# Altium PCB Cabinet_Device.PcbDoc (part 5 of 6) (continued)
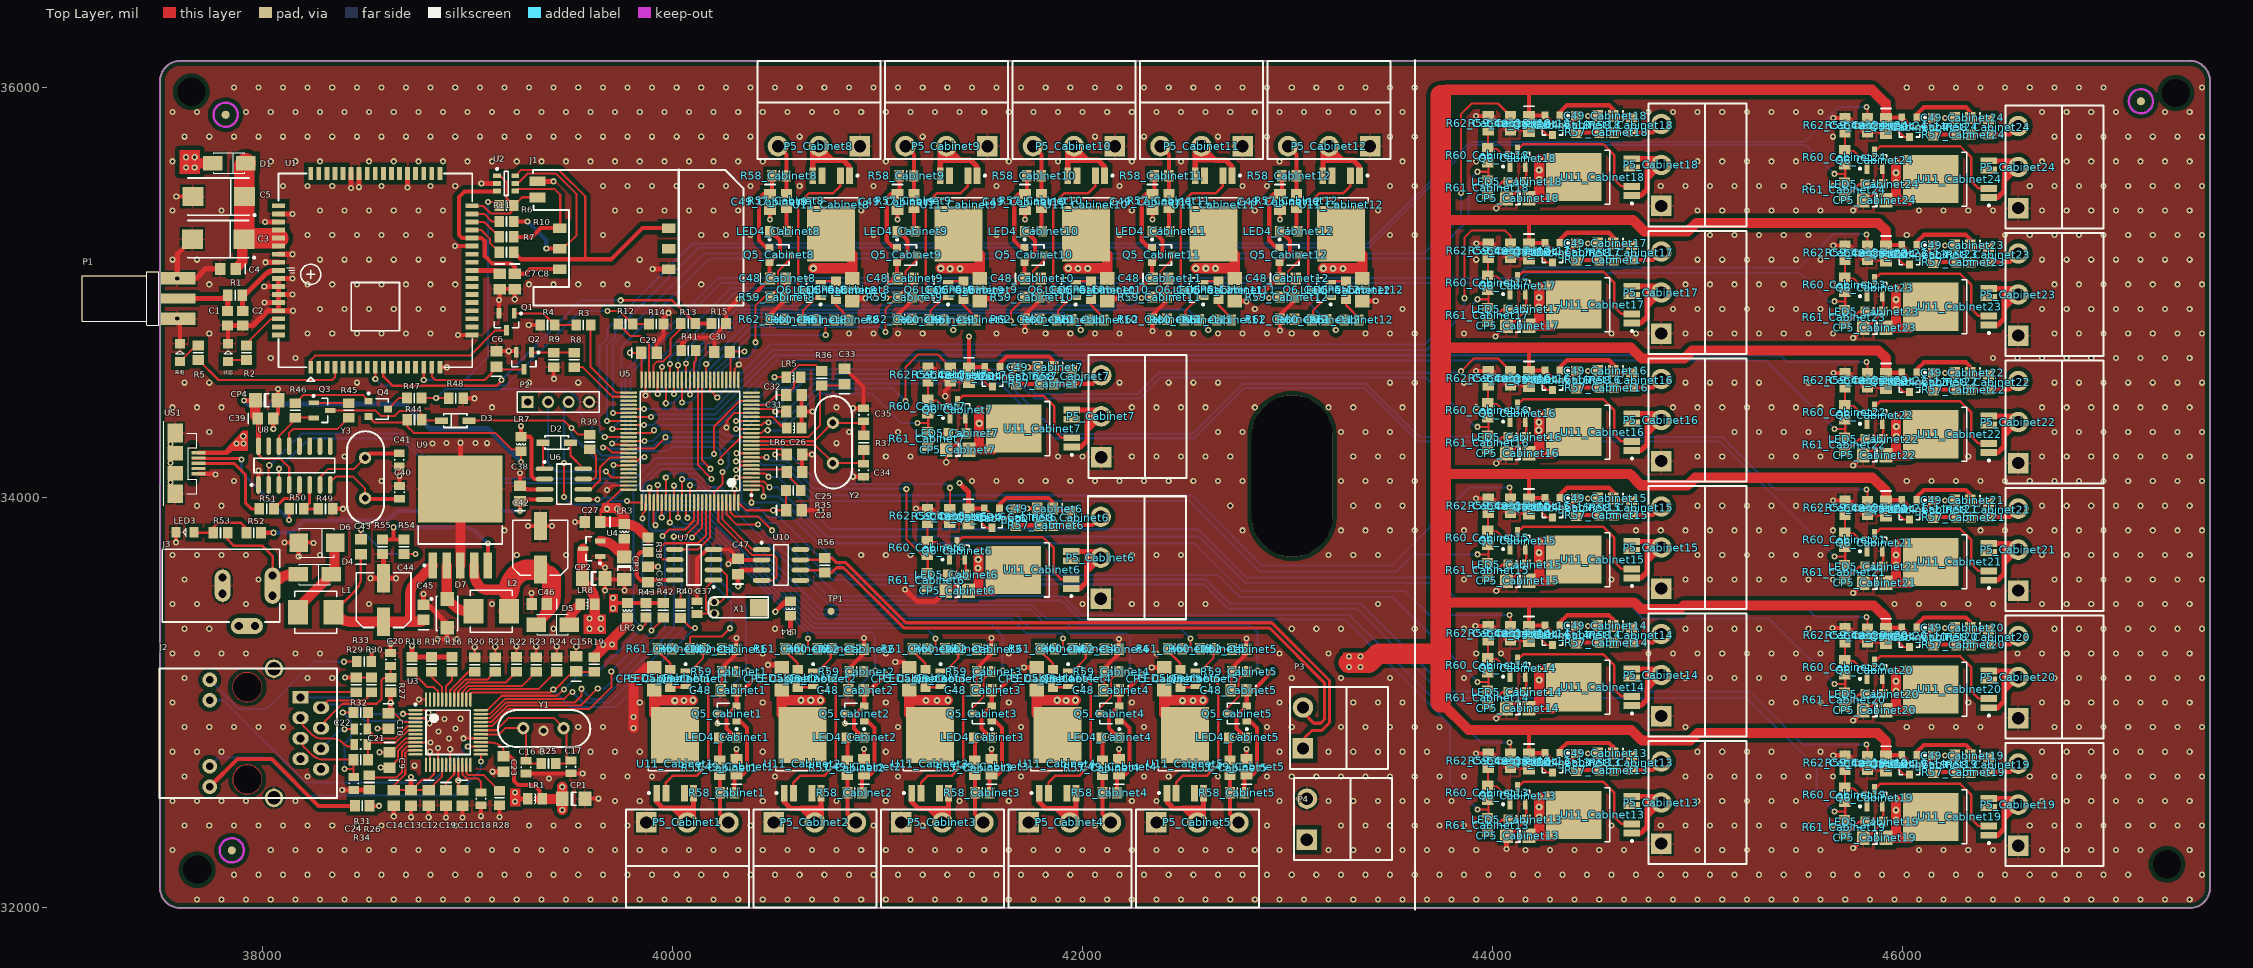
[diagram p0: Top Layer view]
## Nets (pads, with @x,y where several pads share a name; then routed paths per layer and width w, separated by ;. In a path a pad name is that pad's centre, name@x,y a point inside that pad or via, vN(x,y) a via of type N, cw(c..) or ccw(c..) an arc to the next point about the centre after c; other vN are vias at no path point) (continued)
  Top Layer w50: 43325,33214 ccw(c43323.95,33215.05) 43325.43,33215.05 ; 43747.5,33001.5 43883,32866 44677,32866 44728,32815 44964,32815 45000,32851 45878,32851 45888,32841 45919,32810 C48_Cabinet19.1@45919,32739.97 C48_Cabinet19.1@45919,32737.76 ; 43747.5,33475 43760.5,33488 44690,33488 44722,33456 44914,33456 44931,33473 45860,33473 45919,33414 C48_Cabinet20.1@45919,33361.97 ; 43747.5,34092 43770.5,34115 44180,34115 44668,34115 44723,34060 44951,34060 44988,34097 45853,34097 45919,34031 C48_Cabinet21.1@45919,33983.97 C48_Cabinet21.1@45919,33981.76 ; 43747.5,34706 43772.5,34731 44170,34731 44675,34731 44728,34678 44935,34678 44974,34717 45881,34717 45919,34679 C48_Cabinet22.1@45919,34605.97 ; 43747.5,35354 44197,35354 44683,35354 44739,35298 44952,35298 44993,35339 45881,35339 45919,35301 C48_Cabinet23.1@45919,35227.97 ; 43747.5,35962.5 43774,35989 44176,35989 45849,35989 45919,35919 ; C48_Cabinet24.1@45919,35845.97 45919,35923
  Top Layer w100: 43298,33193 43396.2,33193 43442.2,33239 43747.5,33239 ; 43747.5,33001.5 43747.5,33239 ; 43747.5,35962.5 43747.5,35354 43747.5,34706 43747.5,34092 43747.5,33475 43747.5,33239
  Bottom Layer w20: v1(40385.97,34975) v1@40389,34975
  other v1: 43300,33174 43355,33174 43300,33224 43355,33224 40988,34973 41612,34975
WDI: U5.67 U6.6 | length 322.9
  Top Layer w10: U6.6@39564.49,34040 39602,34040 39646,34084 39646,34147 39695.26,34196.26 U5.67@39785.79,34196.26
电锁1: R60_Cabinet1.2 R61_Cabinet1.1 U5.83 | length 1134.8
  Top Layer w10: v1(39986.57,33877.57) U5.83@39986.57,33975.79 ; R61_Cabinet1.1@39997.43,33263 40001.43,33259 R60_Cabinet1.2@40078.57,33259 ; R60_Cabinet1.2@40084.57,33262 40084.57,33315.57 40091,33322 40240,33322 v1(40280,33362)
  Bottom Layer w10: v1(39986.57,33877.57) 40010.15,33854 40083,33854 40187,33750 40187,33591 40287,33491 40287,33369 v1(40280,33362)
电锁2: R60_Cabinet2.2 R61_Cabinet2.1 U5.87 | length 1059.8
  Top Layer w10: U5.87@40065.32,33975.79 40065.32,33907.68 v1(40072,33901) ; R61_Cabinet2.1@40619.43,33263 40623.43,33259 40661,33259 ; v1(40661,33312) 40661,33259 ; R60_Cabinet2.2@40700.57,33259 40661,33259
  Bottom Layer w10: v1(40072,33901) 40095,33901 40661,33335 v1(40661,33312)
电锁3: R60_Cabinet3.2 R61_Cabinet3.1 U5.79 | length 1969.8
  Top Layer w10: U5.79@39907.83,33975.79 39907.83,33873.17 v1(39916,33865) ; R61_Cabinet3.1@41241.43,33263 41245.43,33259 41283,33259 ; v1(41283,33312) 41283,33259 ; R60_Cabinet3.2@41322.57,33259 41283,33259
  Bottom Layer w10: v1(39916,33865) 39916,33922 39954,33960 40092,33960 40689,33363 41238,33363 v1@41286,33315 ; v1@41276,33319 v1(41283,33312)
电锁4: R60_Cabinet4.2 R61_Cabinet4.1 U5.80 | length 2527.9
  Top Layer w10: U5.80@39927.52,33975.79 v1(39927.52,34060.52) ; R61_Cabinet4.1@41863.43,33263 41867.43,33259 41905,33259 ; v1(41905,33312) 41905,33259 ; R60_Cabinet4.2@41944.57,33259 41905,33259
  Bottom Layer w10: v1(39927.52,34060.52) 39979.04,34009 40101,34009 40701,33409 41654,33409 41726,33337 41897,33337 41905,33329 v1(41905,33312) v1@41898,33319
电锁5: R60_Cabinet5.2 R61_Cabinet5.1 U5.88 | length 2981.7
  Top Layer w10: U5.88@40085,33975.79 v1(40085,34060) ; R61_Cabinet5.1@42485.43,33263 42489.43,33259 42527,33259 ; v1(42527,33312) 42527,33259 ; R60_Cabinet5.2@42566.57,33259 42527,33259
  Bottom Layer w10: v1(40085,34060) 40117,34060 40724,33453 41748,33453 41814,33387 41923,33387 41950,33360 42479,33360 v1(42527,33312) v1@42520,33319
电锁6: R60_Cabinet6.2 R61_Cabinet6.1 U5.9 | length 1283.2
  Top Layer w10: U5.9@40384.21,34196.26 v1(40457.74,34196.26) ; v1(41140,34041) 41140,33796 41217.24,33718.76 R60_Cabinet6.2@41241.54,33718.76 ; R61_Cabinet6.1@41240.54,33631.63 41244.54,33635.63 R60_Cabinet6.2@41244.54,33712.76
  Bottom Layer w10: v1(40457.74,34196.26) 40473,34181 40552,34181 40689,34044 41140,34044 v1(41140,34041)
电锁7: R60_Cabinet7.2 R61_Cabinet7.1 U5.15 | length 1094.9
  Top Layer w10: U5.15@40384.21,34314.37 40433.37,34314.37 40447,34328 v1(40464,34328) ; v1(41194,34363) 41247,34363 ; R61_Cabinet7.1@41243,34321.43 41247,34325.43 41247,34363 ; R60_Cabinet7.2@41247,34402.57 41247,34363
  Bottom Layer w10: v1(40464,34328) 40534,34328 40713,34507 40973,34507 41117,34363 v1(41194,34363) v1@41187,34356
电锁8: R60_Cabinet8.2 R61_Cabinet8.1 U5.38 | length 1013.7
  Top Layer w10: v1(40085,34503) U5.38@40085,34574.21 ; R60_Cabinet8.2@40707.43,34870 40747,34870 ; v1(40747,34792) 40747,34870 ; R61_Cabinet8.1@40788.57,34866 40784.57,34870 40747,34870
  Bottom Layer w10: v1(40085,34503) 40094,34503 40383,34792 v1(40747,34792)
电锁9: R60_Cabinet9.2 R61_Cabinet9.1 U5.34 | length 1522.6
  Top Layer w10: U5.34@40163.74,34574.21 40163.74,34651.74 v1(40164,34652) ; R60_Cabinet9.2@41329.43,34870 41369,34870 ; v1(41369,34817) 41369,34870 ; R61_Cabinet9.1@41410.57,34866 41406.57,34870 41369,34870
  Bottom Layer w10: v1(40164,34652) 40166,34652 40362,34848 41338,34848 v1(41369,34817) v1@41376,34810
电锁10: R60_Cabinet10.2 R61_Cabinet10.1 U5.46 | length 2500.2
  Top Layer w10: v1(39927.52,34504.52) U5.46@39927.52,34574.21 ; R60_Cabinet10.2@41951.43,34870 41991,34870 ; v1(41991,34817) 41991,34870 ; R61_Cabinet10.1@42032.57,34866 42028.57,34870 41991,34870
  Bottom Layer w10: v1(39927.52,34504.52) 40038,34615 40085,34615 40111,34641 40111,34682 40328,34899 41909,34899 v1(41991,34817) v1@41998,34810
电锁11: R60_Cabinet11.2 R61_Cabinet11.1 U5.39 | length 2933.4
  Top Layer w10: U5.39@40065.32,34574.21 v1(40065.32,34653.32) ; R60_Cabinet11.2@42573.43,34870 42613,34870 ; v1(42613,34817) 42613,34870 ; R61_Cabinet11.1@42654.57,34866 42650.57,34870 42613,34870
  Bottom Layer w10: v1(40065.32,34653.32) 40065.32,34672.32 40309,34916 42514,34916 v1(42613,34817) v1@42620,34810
电锁12: R60_Cabinet12.2 R61_Cabinet12.1 U5.45 | length 3754
  Top Layer w10: U5.45@39947.2,34574.21 v1@39947.2,34622.2 ; R60_Cabinet12.2@43195.43,34870 43235,34870 ; v1(43235,34817) 43235,34870 ; R61_Cabinet12.1@43276.57,34866 43272.57,34870 43235,34870
  Bottom Layer w10: v1(39948,34637) 39948,34685 40286,35023 43029,35023 v1(43235,34817) v1@43242,34810
电锁13: R60_Cabinet13.2 R61_Cabinet13.1 U5.97 | length 4630.4
  Top Layer w10: U5.97@40262.17,33975.79 40262.17,33919.83 40314,33868 v1(40416,33868) ; v1(43926,32479) 43979,32479 ; R61_Cabinet13.1@43975,32437.43 43979,32441.43 43979,32479 ; R60_Cabinet13.2@43979,32518.57 43979,32479
  Bottom Layer w10: v1(40416,33868) 40416,33859 40777,33498 41893,33498 41986,33405 43278,33405 43791,32892 43791,32614 v1(43926,32479) v1@43919,32472
电锁14: R60_Cabinet14.2 R61_Cabinet14.1 U5.1 | length 4113.4
  Top Layer w10: v1(40384.21,33974.79) U5.1@40384.21,34038.78 ; v1(43926,33101) 43979,33101 ; R61_Cabinet14.1@43975,33059.43 43979,33063.43 43979,33101 ; R60_Cabinet14.2@43979,33140.57 43979,33101
  Bottom Layer w10: v1(40384.21,33974.79) 40511.21,33974.79 40863,33623 42658.4,33623 42766.4,33515 43512,33515 v1(43926,33101) v1@43919,33094
电锁15: R60_Cabinet15.2 R61_Cabinet15.1 U5.7 | length 4075.3
  Top Layer w10: v1(40310,34135) 40331.89,34156.89 U5.7@40384.21,34156.89 ; v1(43926,33723) 43979,33723 ; R61_Cabinet15.1@43975,33681.43 43979,33685.43 43979,33723 ; R60_Cabinet15.2@43979,33762.57 43979,33723
  Bottom Layer w10: v1(40310,34135) 40528,34135 40680,33983 42520.21,33983 42864.21,33639 43531,33639 43615,33723 v1(43926,33723)
电锁16: R60_Cabinet16.2 R61_Cabinet16.1 U5.18 | length 4124.3
  Top Layer w10: v1(40309.43,34373.43) U5.18@40384.21,34373.43 ; v1(43926,34345) 43979,34345 ; R61_Cabinet16.1@43975,34303.43 43979,34307.43 43979,34345 ; R60_Cabinet16.2@43979,34384.57 43979,34345
  Bottom Layer w10: v1(40309.43,34373.43) 40469,34533 40564,34533 40633.5,34602.5 41643.5,34602.5 41763.5,34482.5 42278.32,34482.5 42381.82,34586 43673,34586 43914,34345 v1(43926,34345) v1@43919,34338
电锁17: R60_Cabinet17.2 R61_Cabinet17.1 U5.55 | length 4499.4
  Top Layer w10: U5.55@39785.79,34432.48 v1(39860.52,34432.48) ; v1(43926,34967) 43979,34967 ; R61_Cabinet17.1@43975,34925.43 43979,34929.43 43979,34967 ; R60_Cabinet17.2@43979,35006.57 43979,34967
  Bottom Layer w10: v1(39860.52,34432.48) 40204.91,34432.48 40248,34475.57 40248,34479 40488.42,34719.42 43678.42,34719.42 v1(43926,34967)
电锁18: R60_Cabinet18.2 R61_Cabinet18.1 U5.60 | length 5274.5
  Top Layer w10: v1(39706.06,34334.06) U5.60@39785.79,34334.06 ; v1(43926,35589) 43979,35589 ; R61_Cabinet18.1@43975,35547.43 43979,35551.43 43979,35589 ; R60_Cabinet18.2@43979,35628.57 43979,35589
  Bottom Layer w10: v1(39706.06,34334.06) 39751,34379 39751,34734 40183,35166 43693,35166 43883,35356 43883,35546 v1(43926,35589)
电锁19: R60_Cabinet19.2 R61_Cabinet19.1 U5.82 | length 6734
  Top Layer w10: U5.82@39966.89,33975.79 v1(39966.89,34098.11) ; v1(45667,32469) 45720,32469 ; R61_Cabinet19.1@45716,32427.43 45720,32431.43 45720,32469 ; R60_Cabinet19.2@45720,32508.57 45720,32469
  Bottom Layer w10: v1(39966.89,34098.11) 39986.78,34118 40115,34118 40183,34050 40235,34050 40381,33904 40434,33904 40461.5,33876.5 40498.5,33876.5 40777,33598 40842.75,33598 40864.75,33576 41122.23,33576 41123.23,33577 42591,33577 42710,33458 43337,33458 43773.82,33021.18 45240.82,33021.18 45581,32681 45581,32555 v1(45667,32469) v1@45660,32462
电锁20: R60_Cabinet20.2 R61_Cabinet20.1 U5.3 | length 5837.4
  Top Layer w10: U5.3@40384.21,34078.15 40443.85,34078.15 v1(40472,34050) ; v1(45667,33091) 45720,33091 ; R61_Cabinet20.1@45716,33049.43 45720,33053.43 45720,33091 ; R60_Cabinet20.2@45720,33130.57 45720,33091
  Bottom Layer w10: v1(40472,34050) 40512,34050 40753,33809 42570,33809 42797,33582 43693,33582 43806,33469 44674,33469 44733,33410 45348,33410 v1(45667,33091) v1@45660,33084
电锁21: R60_Cabinet21.2 R61_Cabinet21.1 U5.63 | length 6711.2
  Top Layer w10: U5.63@39785.79,34275 v1(39863,34275) ; v1(45667,33713) 45720,33713 ; R61_Cabinet21.1@45716,33671.43 45720,33675.43 45720,33713 ; R60_Cabinet21.2@45720,33752.57 45720,33713
  Bottom Layer w10: v1(39863,34275) 39904,34275 39949,34320 40238,34320 40256,34302 40325,34302 40416,34393 40527,34393 40691,34557 41597,34557 41865,34289 42543.7,34289 42788.7,34534 43375,34534 43635,34274 45106,34274 v1(45667,33713) v1@45660,33706
电锁22: R60_Cabinet22.2 R61_Cabinet22.1 U5.59 | length 6296
  Top Layer w10: U5.59@39785.79,34353.74 v1(39860.26,34353.74) ; v1(45667,34335) 45720,34335 ; R61_Cabinet22.1@45716,34293.43 45720,34297.43 45720,34335 ; R60_Cabinet22.2@45720,34374.57 45720,34335
  Bottom Layer w10: v1(39860.26,34353.74) 39860.52,34354 39907,34354 39935,34382 40220,34382 40507.25,34669.25 45332.75,34669.25 v1(45667,34335) v1@45660,34328
电锁23: R60_Cabinet23.2 R61_Cabinet23.1 U5.66 | length 6893.3
  Top Layer w10: v1(39661,34244) 39679.86,34244 39705.14,34218.72 39783.01,34218.72 U5.66@39785.79,34215.94 ; v1(45667,34957) 45720,34957 ; R61_Cabinet23.1@45716,34915.43 45720,34919.43 45720,34957 ; R60_Cabinet23.2@45720,34996.57 45720,34957
  Bottom Layer w10: v1(39661,34244) 39667,34238 39751,34238 39795,34282 39795,34606 40235,35046 44121,35046 44171,35096 45498,35096 45637,34957 v1(45667,34957) v1@45660,34950
电锁24: R60_Cabinet24.2 R61_Cabinet24.1 U5.58 | length 7087.3
  Top Layer w10: v1(39679.57,34373.43) U5.58@39785.79,34373.43 ; v1(45667,35579) 45720,35579 ; R61_Cabinet24.1@45716,35537.43 45720,35541.43 45720,35579 ; R60_Cabinet24.2@45720,35618.57 45720,35579
  Bottom Layer w10: v1(39679.57,34373.43) 39679.57,34742.86 39719,34782.28 39719,34810 40128,35219 43396.63,35219 43896.63,35719 45527,35719 v1(45667,35579) v1@45660,35572
门磁1: Q5_Cabinet1.3 R59_Cabinet1.2 U5.85 | length 1402.6
  Top Layer w10: v1(40025.94,33903.06) U5.85@40025.94,33975.79 ; v1(40218.32,32898.32) Q5_Cabinet1.3@40218.32,32946 ; R59_Cabinet1.2@40311,33151 40361,33151 v1(40365,33155)
  Bottom Layer w10: v1(40025.94,33903.06) 40059,33870 40095,33870 40237,33728 40237,33587 40359,33465 v1@40359,33153 ; v1(40218.32,32898.32) 40218.32,33008.32 v1(40365,33155)
门磁2: Q5_Cabinet2.3 R59_Cabinet2.2 U5.81 | length 1972.7
  Top Layer w10: v1(39947.2,33902.2) U5.81@39947.2,33975.79 ; v1(40840.32,32898.32) Q5_Cabinet2.3@40840.32,32946 ; R59_Cabinet2.2@40933,33151 40983,33151 v1(40987,33155)
  Bottom Layer w10: v1(39947.2,33902.2) 39947.2,33908.2 39974,33935 40088,33935 40682,33341 40969,33341 40987,33323 v1(40987,33155) 40840.32,33008.32 v1(40840.32,32898.32)
门磁3: Q5_Cabinet3.3 R59_Cabinet3.2 U5.78 | length 2562.5
  Top Layer w10: U5.78@39888.15,33975.79 v1(39888.15,34047.85) ; Q5_Cabinet3.3@41462.32,32946 41462.32,32972.48 41515.76,33025.92 41515.76,33111.76 R59_Cabinet3.2@41555,33151 41605,33151 v1(41609,33155)
  Bottom Layer w10: v1(39888.15,34047.85) 39954,33982 40097,33982 40694,33385 41551,33385 41609,33327 v1(41609,33155)
门磁4: Q5_Cabinet4.3 R59_Cabinet4.2 U5.84 | length 3076.3
  Top Layer w10: U5.84@40006.26,33975.79 v1(40006.26,34057.74) ; Q5_Cabinet4.3@42084.32,32946 42084.32,32972.48 42137.76,33025.92 42137.76,33111.76 R59_Cabinet4.2@42177,33151 42227,33151 v1(42231,33155)
  Bottom Layer w10: v1(40006.26,34057.74) 40033,34031 40109,34031 40710,33430 41674,33430 41746,33358 41916,33358 41938,33336 42215,33336 42231,33320 v1(42231,33155)
门磁5: Q5_Cabinet5.3 R59_Cabinet5.2 U5.86 | length 3853.9
  Top Layer w10: U5.86@40045.63,33975.79 v1(40045.63,34089) ; Q5_Cabinet5.3@42706.32,32946 42706.32,32972.48 42759.76,33025.92 42759.76,33111.76 R59_Cabinet5.2@42799,33151 42849,33151 v1(42853,33155)
  Bottom Layer w10: v1(40045.63,34089) 40115,34089 40180,34024 40216,34024 40765,33475 41755,33475 41822,33408 41937,33408 41965,33380 42813,33380 42853,33340 v1(42853,33155) 42853,33294
门磁6: Q5_Cabinet6.3 R59_Cabinet6.2 U5.65 | length 2038.7
  Top Layer w10: U5.65@39785.79,34235.63 39788.57,34238.41 39910.41,34238.41 v1(39966,34294) ; v1(41352.54,34047.46) R59_Cabinet6.2@41352.54,33945.2 41391.78,33905.95 41477.62,33905.95 41531.05,33852.52 Q5_Cabinet6.3@41557.54,33852.52
  Bottom Layer w10: v1(39966,34294) 40225,34294 40247,34272 40509,34272 40714,34067 41333,34067 v1(41352.54,34047.46)
门磁7: Q5_Cabinet7.3 R59_Cabinet7.2 U5.17 | length 1530.1
  Top Layer w10: U5.17@40384.21,34353.74 40434.74,34353.74 40447,34366 v1(40468,34366) ; v1(41136,34470) 41136,34635 41199,34698 41292,34698 R59_Cabinet7.2@41355,34635 41367.85,34635 41405.47,34597.38 41488.62,34597.38 41543.68,34542.32 Q5_Cabinet7.3@41560,34542.32
  Bottom Layer w10: v1(40468,34366) 40537,34366 40702,34531 41075,34531 v1(41136,34470)
门磁8: Q5_Cabinet8.3 R59_Cabinet8.2 U5.40 | length 1123.8
  Top Layer w10: v1(40045.63,34462.63) U5.40@40045.63,34574.21 ; v1(40404,34757) 40404,34935 40447,34978 R59_Cabinet8.2@40475,34978 40514.24,35017.24 40514.24,35103.08 40567.68,35156.52 Q5_Cabinet8.3@40567.68,35183
  Bottom Layer w10: v1(40045.63,34462.63) 40084.63,34462.63 40303,34681 40365,34681 40404,34720 v1(40404,34757)
门磁9: Q5_Cabinet9.3 R59_Cabinet9.2 U5.44 | length 1843
  Top Layer w10: v1(39966.89,34459.89) U5.44@39966.89,34574.21 ; v1(41038,34808) 41038,34919 R59_Cabinet9.2@41097,34978 ; v1(41043,34974) 41047,34978 R59_Cabinet9.2@41097,34978 ; Q5_Cabinet9.3@41189.68,35183 41189.68,35156.52 41136.24,35103.08 41136.24,35017.24 R59_Cabinet9.2@41097,34978
  Bottom Layer w10: v1(39966.89,34459.89) 39999.89,34459.89 40150,34610 40164.43,34610 40386.43,34832 41014,34832 v1(41038,34808)
门磁10: Q5_Cabinet10.3 R59_Cabinet10.2 U5.42 | length 2287.7
  Top Layer w10: v1(40006.26,34505.74) U5.42@40006.26,34574.21 ; v1(41651,34861) 41651,34910 R59_Cabinet10.2@41719,34978 41758.24,35017.24 41758.24,35103.08 41811.68,35156.52 Q5_Cabinet10.3@41811.68,35183
  Bottom Layer w10: v1(40006.26,34505.74) 40007.74,34505.74 40131,34629 40131,34667 40345,34881 41631,34881 v1(41651,34861)
门磁11: Q5_Cabinet11.3 R59_Cabinet11.2 U5.41 | length 2787
  Top Layer w10: U5.41@40025.94,34574.21 v1(40025.94,34645.06) ; v1(42287,34974) 42291,34978 R59_Cabinet11.2@42341,34978 42380.24,35017.24 42380.24,35103.08 42433.68,35156.52 Q5_Cabinet11.3@42433.68,35183
  Bottom Layer w10: v1(40025.94,34645.06) 40025.94,34678.94 40284,34937 42250,34937 v1(42287,34974)
门磁12: Q5_Cabinet12.3 R59_Cabinet12.2 U5.43 | length 3475.9
  Top Layer w10: U5.43@39986.57,34574.21 39986.57,34650.57 v1(39988,34652) ; v1(42909,34974) 42913,34978 R59_Cabinet12.2@42963,34978 43002.24,35017.24 43002.24,35103.08 43055.68,35156.52 Q5_Cabinet12.3@43055.68,35183
  Bottom Layer w10: v1(39988,34652) 39988,34682 40312,35006 42877,35006 v1(42909,34974)
门磁13: Q5_Cabinet13.3 R59_Cabinet13.2 U5.98 | length 4612.5
  Top Layer w10: U5.98@40281.85,33975.79 40281.85,33929.15 40304,33907 40418,33907 v1(40485,33840) ; v1(44083,32805) 44087,32801 R59_Cabinet13.2@44087,32751 44126.24,32711.76 44212.08,32711.76 44265.52,32658.32 Q5_Cabinet13.3@44292,32658.32
  Bottom Layer w10: v1(40485,33840) 40805,33520 41902.11,33520 41995.11,33427 43304,33427 43795,32936 43813,32936 43944,32805 v1(44083,32805)
门磁14: Q5_Cabinet14.3 R59_Cabinet14.2 U5.2 | length 4284
  Top Layer w10: U5.2@40384.21,34058.46 40432.54,34058.46 40444,34047 v1(40444,34005) ; v1(44083,33427) 44087,33423 R59_Cabinet14.2@44087,33373 44126.24,33333.76 44212.08,33333.76 44265.52,33280.32 Q5_Cabinet14.3@44292,33280.32
  Bottom Layer w10: v1(40444,34005) 40519,34005 40747,33777 42544,33777 42778,33543 43574,33543 43690,33427 v1(44083,33427)
门磁15: Q5_Cabinet15.3 R59_Cabinet15.2 U5.8 | length 4515.6
  Top Layer w10: v1(40309.57,34176.57) U5.8@40384.21,34176.57 ; v1(44083,34049) 44087,34045 R59_Cabinet15.2@44087,33995 44126.24,33955.76 44212.08,33955.76 44265.52,33902.32 Q5_Cabinet15.3@44292,33902.32
  Bottom Layer w10: v1(40309.57,34176.57) 40419.43,34176.57 40437,34159 40541,34159 40689,34011 42531.8,34011 42874.8,33668 43505,33668 43886,34049 v1(44083,34049)
门磁16: Q5_Cabinet16.3 R59_Cabinet16.2 U5.61 | length 4839.2
  Top Layer w10: U5.61@39788.57,34317.15 U5.61@39785.79,34314.37 39896.37,34314.37 v1(39910,34328) 39899.15,34317.15 ; v1(43846,34616) 43908,34678 44026,34678 R59_Cabinet16.2@44087,34617 44126.24,34577.76 44212.08,34577.76 44265.52,34524.32 Q5_Cabinet16.3@44292,34524.32
  Bottom Layer w10: v1(39910,34328) 39936,34354 40232,34354 40438,34560 40537,34560 40602,34625 41652,34625 41772,34505 42269,34505 42372.5,34608.5 43838.5,34608.5 v1(43846,34616)
门磁17: Q5_Cabinet17.3 R59_Cabinet17.2 U5.33 | length 4790.6
  Top Layer w10: U5.33@40183.43,34574.21 40183.43,34522.57 v1(40218,34488) ; v1(43862,34972) 43862,35268 43896,35302 44062,35302 44087,35277 R59_Cabinet17.2@44087,35239 44126.24,35199.76 44212.08,35199.76 44265.52,35146.32 Q5_Cabinet17.3@44292,35146.32
  Bottom Layer w10: v1(40218,34488) 40477,34747 43669,34747 43862,34940 v1(43862,34972)
门磁18: Q5_Cabinet18.3 R59_Cabinet18.2 U5.56 | length 5833.8
  Top Layer w10: v1(39709.8,34412.8) U5.56@39785.79,34412.8 ; v1(43845,35485) 43845,35869 43898,35922 44026,35922 R59_Cabinet18.2@44087,35861 44126.24,35821.76 44212.08,35821.76 44265.52,35768.32 Q5_Cabinet18.3@44292,35768.32
  Bottom Layer w10: v1(39709.8,34412.8) 39709.8,34744.8 40156,35191 43666,35191 43845,35370 v1(43845,35485)
门磁19: Q5_Cabinet19.3 R59_Cabinet19.2 U5.4 | length 6480.5
  Top Layer w10: v1(40311.83,34097.83) U5.4@40384.21,34097.83 ; v1(45824,32795) 45828,32791 R59_Cabinet19.2@45828,32741 45867.24,32701.76 45953.08,32701.76 46006.52,32648.32 Q5_Cabinet19.3@46033,32648.32
  Bottom Layer w10: v1(40311.83,34097.83) 40337,34072.67 40337,33975 40347.23,33975 40373.44,33948.79 40423.21,33948.79 40467,33905 40521,33905 40803,33623 40840.37,33623 40862.37,33601 42600.94,33601 42719.94,33482 43358,33482 43787,33053 45254,33053 45512,32795 v1(45824,32795)
门磁20: Q5_Cabinet20.3 R59_Cabinet20.2 U5.5 | length 6029
  Top Layer w10: U5.5@40384.21,34117.52 40451.48,34117.52 v1(40468,34101) ; v1(45824,33417) 45828,33413 R59_Cabinet20.2@45828,33363 45867.24,33323.76 45953.08,33323.76 46006.52,33270.32 Q5_Cabinet20.3@46033,33270.32
  Bottom Layer w10: v1(40468,34101) 40513,34101 40768.8,33845.2 42562.8,33845.2 42799,33609 43720,33609 43830,33499 44712,33499 44753,33458 45536,33458 45577,33417 v1(45824,33417)
门磁21: Q5_Cabinet21.3 R59_Cabinet21.2 U5.16 | length 6414.4
  Top Layer w10: v1(40310.06,34334.06) U5.16@40384.21,34334.06 ; v1(45824,34039) 45828,34035 R59_Cabinet21.2@45828,33985 45867.24,33945.76 45953.08,33945.76 46006.52,33892.32 Q5_Cabinet21.3@46033,33892.32
  Bottom Layer w10: v1(40310.06,34334.06) 40435,34459 40529.37,34459 40648.37,34578 41612,34578 41880,34310 42535,34310 42780,34555 43383.7,34555 43643.7,34295 45119.7,34295 45375.7,34039 v1(45824,34039)
门磁22: Q5_Cabinet22.3 R59_Cabinet22.2 U5.57 | length 6475.6
  Top Layer w10: U5.57@39785.79,34393.11 v1(39894.11,34393.11) ; v1(45824,34661) 45828,34657 R59_Cabinet22.2@45828,34607 45867.24,34567.76 45953.08,34567.76 46006.52,34514.32 Q5_Cabinet22.3@46033,34514.32
  Bottom Layer w10: v1(39894.11,34393.11) 39907,34406 40209,34406 40497,34694 45402,34694 45435,34661 v1(45824,34661)
门磁23: Q5_Cabinet23.3 R59_Cabinet23.2 U5.64 | length 7102.1
  Top Layer w10: v1(39704,34264) 39709.91,34258.09 39783.01,34258.09 U5.64@39785.79,34255.32 ; v1(45824,35283) 45828,35279 R59_Cabinet23.2@45828,35229 45867.24,35189.76 45953.08,35189.76 46006.52,35136.32 Q5_Cabinet23.3@46033,35136.32
  Bottom Layer w10: v1(39704,34264) 39714,34264 39771,34321 39771,34618 40224.46,35071.46 44110.46,35071.46 44160.46,35121.46 45496.46,35121.46 45660,35285 45822,35285 v1(45824,35283)
门磁24: Q5_Cabinet24.3 R59_Cabinet24.2 U5.62 | length 7567.1
  Top Layer w10: v1(39669.32,34294.68) U5.62@39785.79,34294.68 ; v1(45824,35905) 45828,35901 R59_Cabinet24.2@45828,35851 45867.24,35811.76 45953.08,35811.76 46006.52,35758.32 Q5_Cabinet24.3@46033,35758.32
  Bottom Layer w10: v1(39669.32,34294.68) 39644,34320 39644,34741 39683,34780 39683,34825 40097,35239 43394,35239 43890,35735 45519,35735 45635.57,35851.57 45635.57,35862.2 45650.8,35877.43 45661.43,35877.43 45689,35905 v1(45824,35905)
pads on no net: Designator2.1 Designator3.1 Designator4.1 J1.3@39395,34979 J1.6 J2.7 J2.8 TP1.1 U1.2 U1.3 U1.5 U1.6 U1.7 U1.8 U1.11 U1.12 U1.13 U1.14 U1.19 U1.20 U1.21 U1.22 U1.23 U1.24 U1.25 U1.27 U1.28 U1.35 U1.36 U1.37 U1.38 U1.40 U1.41 U1.42 U1.43 U1.44 U1.47 U1.48 U1.49 U1.50 U1.51 U1.52 U1.67 U1.68 U3.7 U3.12 U3.13 U3.18 U3.24 U3.26 U3.46 U3.47 U5.24 U5.53 U5.54 U5.73 U7.3 U7.7 U8.9 U8.10 U8.11 U8.12 U8.15 U10.5 U10.8 U11_Cabinet1.4 U11_Cabinet2.4 U11_Cabinet3.4 U11_Cabinet4.4 U11_Cabinet5.4 U11_Cabinet6.4 U11_Cabinet7.4 U11_Cabinet8.4 U11_Cabinet9.4 U11_Cabinet10.4 U11_Cabinet11.4 U11_Cabinet12.4 U11_Cabinet13.4 U11_Cabinet14.4 U11_Cabinet15.4 U11_Cabinet16.4 U11_Cabinet17.4 U11_Cabinet18.4 U11_Cabinet19.4 U11_Cabinet20.4 U11_Cabinet21.4 U11_Cabinet22.4 U11_Cabinet23.4 U11_Cabinet24.4 US1.0 US1.4 X1.

## Polygon pours and split planes (outlines as drawn)
GND on Bottom Layer "Bottom Layer-GND" (solid, remove dead copper, pour order 4): 37503,36132 37503,32000 37501,31998 37502,31999 47499,31999 47499,36132
GND on Top Layer "Top Layer-No Net" (solid, remove dead copper, pour order 3): 37503,36132 37503,32000 37501,31998 37502,31999 47499,31999 47499,36132
GND on Ground (split plane): 47408.26,36110.04 47415.87,36108.91 47423.34,36107.04 47430.58,36104.45 47437.54,36101.16 47444.14,36097.2 47450.32,36092.62 47456.03,36087.45 47461.19,36081.75 47465.78,36075.57 47469.73,36068.97 47473.03,36062.01 47475.62,36054.76 47477.49,36047.3 47478.62,36039.69 47478.96,36032.62 47478.9,36032 47478.9,32096 47478.96,32095.38 47478.62,32088.31 47477.49,32080.7 47475.62,32073.24 47473.03,32065.99 47469.73,32059.03 47465.78,32052.43 47461.19,32046.25 47456.03,32040.55 47450.32,32035.38 47444.14,32030.8 47437.54,32026.84 47430.58,32023.55 47423.34,32020.96 47415.87,32019.09 47408.26,32017.96 47404.07,32017.75 47400.57,32018.1 37598,32018.1 37597.38,32018.04 37590.31,32018.38 37582.7,32019.51 37575.24,32021.38 37567.99,32023.97 37561.03,32027.27 37554.43,32031.22 37548.25,32035.81 37542.55,32040.97 37537.38,32046.68 37532.8,32052.86 37528.84,32059.46 37525.55,32066.42 37522.96,32073.66 37521.09,32081.13 37519.96,32088.74 37519.61,32095.81 37519.67,32096.42 37520.1,36031.57 37520.04,36032.19 37520.38,36039.26 37521.51,36046.87 37523.38,36054.34 37525.97,36061.58 37529.27,36068.54 37533.22,36075.14 37537.81,36081.32 37542.97,36087.03 37548.68,36092.19 37554.86,36096.78 37561.46,36100.73 37568.42,36104.03 37575.66,36106.62 37583.13,36108.49 37590.74,36109.62 37597.81,36109.96 37598.43,36109.9 47400.57,36109.9 47404.07,36110.25
VDOOR on Internal Plane 1 (split plane): 43391.9,34760.1 41427,34760.1 41425.05,34759.71 41423.4,34758.6 41422.29,34756.95 41421.9,34755 41422.29,34753.05 41423.4,34751.4 41423.9,34750.89 41423.9,33396 41424.29,33394.05 41425.4,33392.4 41445.4,33372.4 41447.05,33371.29 41449,33370.9 43384.9,33370.9 43384.9,33103.1 40195.1,33103.1 40195.1,33308.9 40468,33308.9 40469.95,33309.29 40471.6,33310.4 40472.71,33312.05 40473.1,33314 40473.04,33314.3 40473.05,33314.29 40475,33313.9 40476.95,33314.29 40478.6,33315.4 40549.11,33385.9 41094.89,33385.9 41100.4,33380.4 41102.05,33379.29 41104,33378.9 41105.95,33379.29 41107.6,33380.4 41108.71,33382.05 41109.1,33384 41109.1,34769 41108.71,34770.95 41107.6,34772.6 41105.6,34774.6 41103.95,34775.71 41102,34776.1 40401.11,34776.1 40364.1,34813.11 40364.1,35018.89 40370.49,35025.28 40372.15,35024.18 40374.1,35023.79 40376.05,35024.18 40377.7,35025.28 40378.81,35026.94 40379.2,35028.89 40379.2,35033.99 40400.11,35054.9 43391.9,35054.9
VDD3V3 on Internal Plane 1 (split plane): 40395.4,34767.4 40397.05,34766.29 40399,34765.9 41098.9,34765.9 41098.9,33395.72 41097,33396.1 40547,33396.1 40545.05,33395.71 40543.4,33394.6 40471.4,33322.6 40470.29,33320.95 40469.9,33319 40469.96,33318.7 40469.95,33318.71 40468,33319.1 39705.1,33319.1 39705.1,33422 39704.71,33423.95 39703.6,33425.6 39677.1,33452.11 39677.1,33746 39676.71,33747.95 39675.6,33749.6 39497.6,33927.6 39495.95,33928.71 39494,33929.1 39347.11,33929.1 39208.1,34068.11 39208.1,34556.89 39441.11,34789.9 40363,34789.9 40364.95,34790.29 40366.6,34791.4 40367.71,34793.05 40368.05,34794.74
AVDD on Internal Plane 1 (split plane): 38800.4,33044.4 39048.4,32796.4 39048.4,32796.39 39254.4,32590.4 39256.05,32589.29 39258,32588.9 39302.89,32588.9 39313.9,32577.89 39313.9,32494.1 39210.11,32494.1 39169.6,32534.6 39167.95,32535.71 39166,32536.1 38378.11,32536.1 38374.1,32540.11 38374.1,33152.9 38691.89,33152.9
VCC4V2 on Internal Plane 1 (split plane): 40369,35038.21 40355.4,35024.6 40354.29,35022.95 40353.9,35021 40353.9,34811 40354.29,34809.05 40355.4,34807.4 40362.69,34800.1 39439,34800.1 39437.05,34799.71 39435.4,34798.6 39199.4,34562.6 39198.29,34560.95 39197.9,34559 39197.9,34066 39198.29,34064.05 39199.4,34062.4 39341.4,33920.4 39343.05,33919.29 39345,33918.9 39491.89,33918.9 39666.9,33743.89 39666.9,33450 39667.29,33448.05 39668.4,33446.4 39694.9,33419.89 39694.9,33319.1 38221,33319.1 38221,33904 38220.61,33905.95 38219.51,33907.6 38217.85,33908.71 38215.9,33909.1 37619.86,33909.1 37620.09,36009.91 40369,36009.91
VDD on Internal Plane 1 (split plane): 38221,33308.9 39731.47,33308.9 39731.47,32432.1 38318.11,32432.1 38054.1,32696.11 38054.1,33140.89 38219.51,33306.3 38220.61,33307.95 38220.81,33308.94